# Altium PCB LF_Light_BluClassic.PcbDoc (part 1 of 2)
Units mm, origin at the board's own origin, x right, y up, seen from the top; angles counter-clockwise.
Board outline 130.4 x 63.7 mm, 4 copper layers (Top Layer, Int1 (GND), SignalLay, Bottom Layer), stack 0.55 mm thick; 72 components, 75 nets, 405 pads, 137 vias.
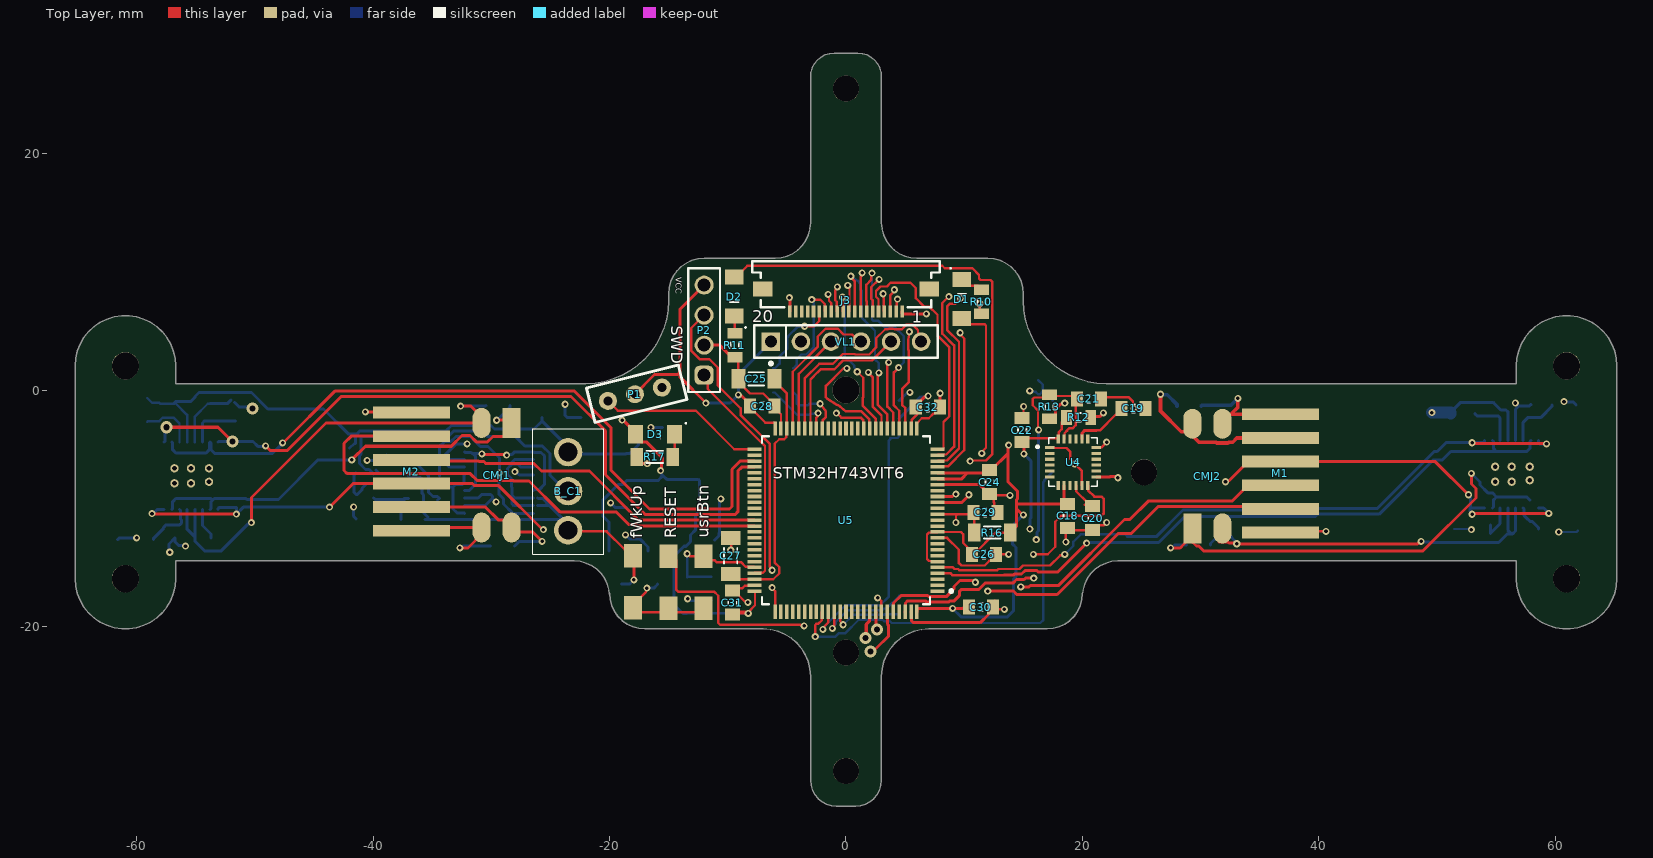
[diagram p0: Top Layer view]
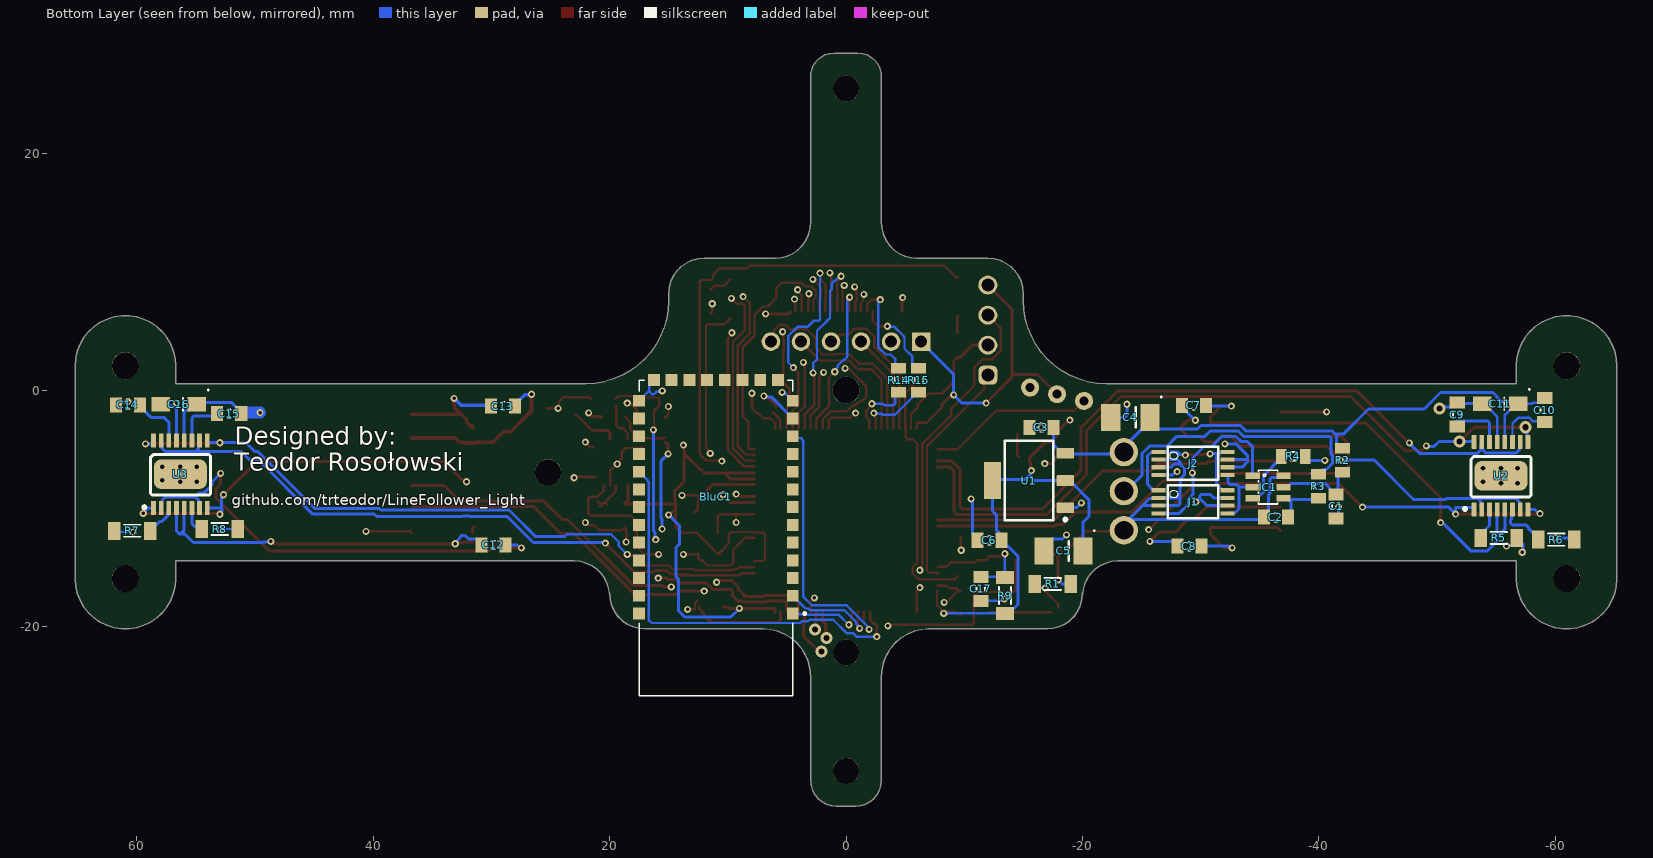
[diagram p1: Bottom Layer view, seen from below]
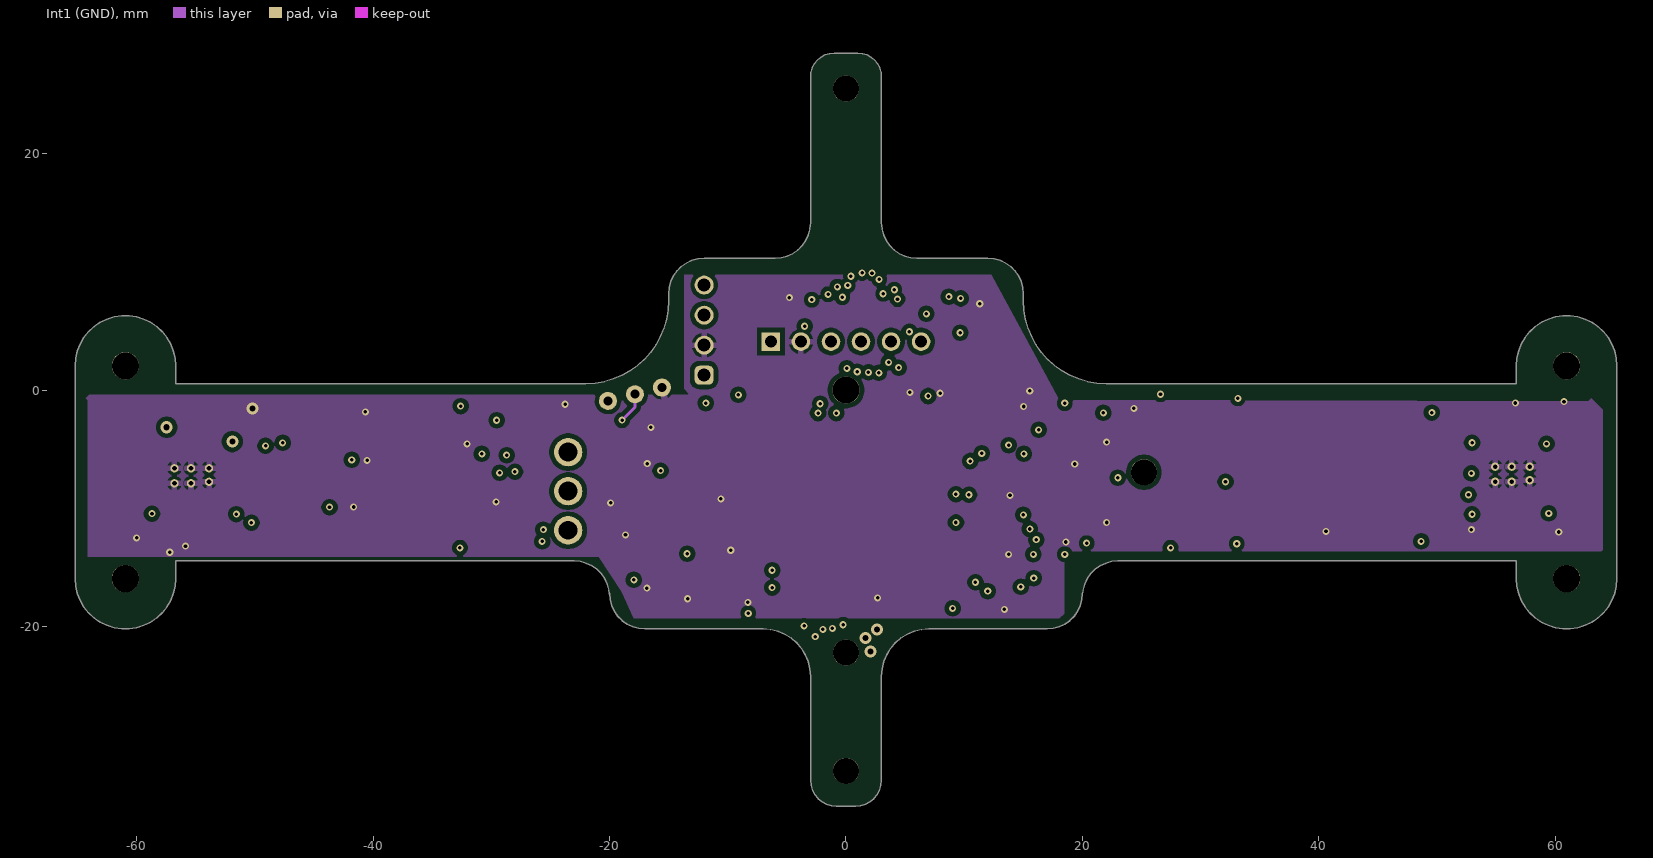
[diagram p2: Int1 (GND)]
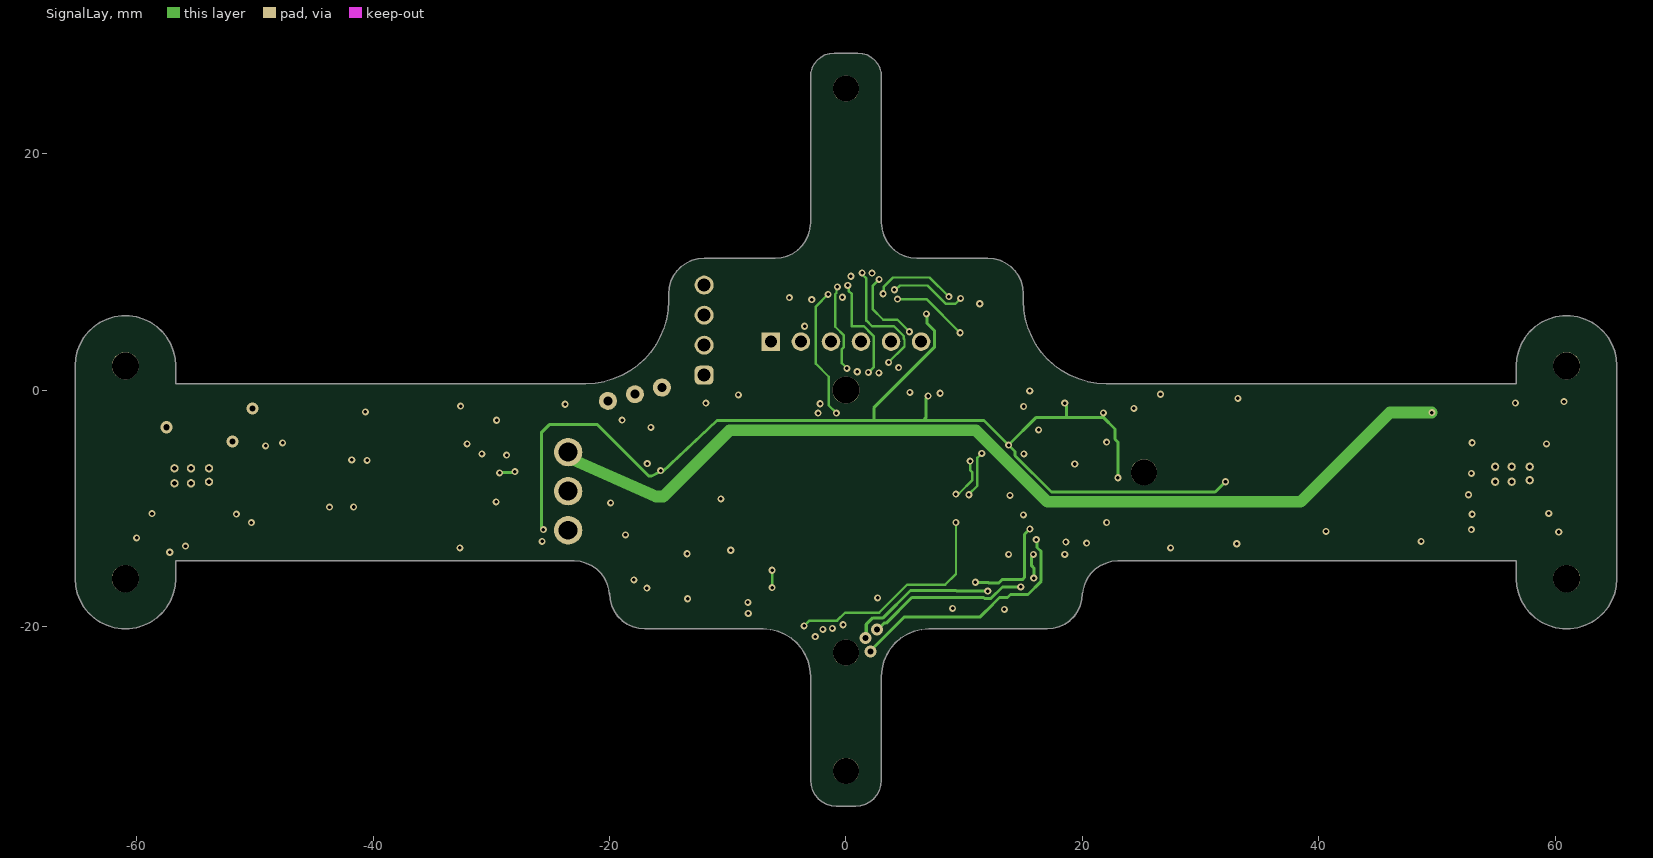
[diagram p3: SignalLay]
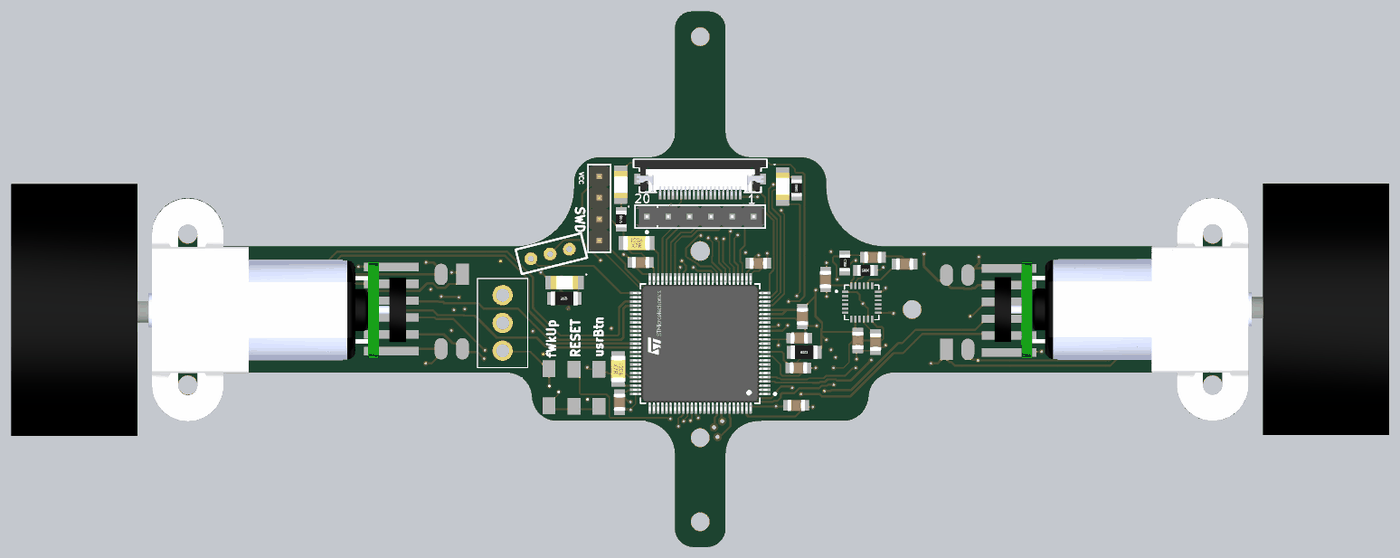
[diagram p5: 3D render of the assembled board from above, using the file's embedded part models]
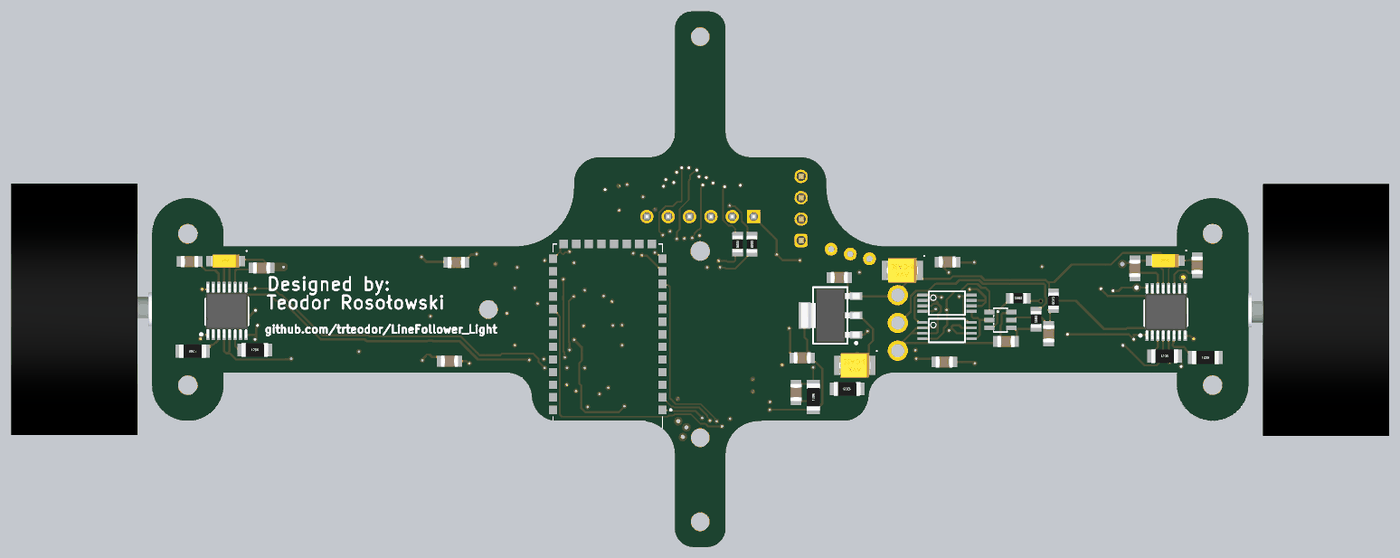
[diagram p6: 3D render of the assembled board from below, using the file's embedded part models]

## Layer stack, top to bottom
Top Solder: solder mask 0.0254, SM-001, Dk 4
Top Layer: signal copper 0.009
Dielectric 2: prepreg 0.1295, PP-017, Dk 4.3
Int1 (GND): signal copper 0.035
Dielectric 3: core 0.2032, Core-025, Dk 4.6
SignalLay: signal copper 0.035
Dielectric 4: prepreg 0.1295, PP-017, Dk 4.3
Bottom Layer: signal copper 0.009
Bottom Solder: solder mask 0.0254, SM-001, Dk 4

## Board outline
-56.7,2.05 -56.748,2.683 -56.889,3.303 -57.121,3.894 -57.438,4.444 -57.835,4.941 -58.3,5.373 -58.825,5.731 -59.397,6.006 -60.004,6.193 -60.632,6.288 -61.268,6.288 -61.896,6.193 -62.503,6.006 -63.075,5.731 -63.6,5.373 -64.065,4.941 -64.462,4.444 -64.779,3.894 -65.011,3.303 -65.153,2.683 -65.2,2.05 -65.2,-15.95 -65.153,-16.583 -65.011,-17.203 -64.779,-17.794 -64.462,-18.344 -64.065,-18.841 -63.6,-19.273 -63.075,-19.631 -62.503,-19.906 -61.896,-20.093 -61.268,-20.188 -60.632,-20.188 -60.004,-20.093 -59.397,-19.906 -58.825,-19.631 -58.3,-19.273 -57.835,-18.841 -57.438,-18.344 -57.121,-17.794 -56.889,-17.203 -56.748,-16.583 -56.7,-15.95 -56.7,-14.45 -23,-14.45 -22.479,-14.496 -21.974,-14.631 -21.5,-14.852 -21.072,-15.152 -20.702,-15.522 -20.402,-15.95 -20.181,-16.424 -20.046,-16.929 -20,-17.45 -20,-17.2 -19.954,-17.721 -19.819,-18.226 -19.598,-18.7 -19.298,-19.128 -18.928,-19.498 -18.5,-19.798 -18.026,-20.019 -17.521,-20.155 -17,-20.2 -7,-20.2 -6.374,-20.249 -5.764,-20.396 -5.184,-20.636 -4.649,-20.964 -4.172,-21.372 -3.764,-21.849 -3.436,-22.384 -3.196,-22.964 -3.049,-23.574 -3,-24.2 -3,-33 -2.958,-33.429 -2.833,-33.842 -2.629,-34.222 -2.356,-34.556 -2.022,-34.829 -1.642,-35.033 -1.229,-35.158 -0.8,-35.2 0.8,-35.2 1.229,-35.158 1.642,-35.033 2.022,-34.829 2.356,-34.556 2.629,-34.222 2.833,-33.842 2.958,-33.429 3,-33 3,-24.2 3.049,-23.574 3.196,-22.964 3.436,-22.384 3.764,-21.849 4.172,-21.372 4.649,-20.964 5.184,-20.636 5.764,-20.396 6.374,-20.249 7,-20.2 17,-20.2 17.521,-20.155 18.026,-20.019 18.5,-19.798 18.928,-19.498 19.298,-19.128 19.598,-18.7 19.819,-18.226 19.954,-17.721 20,-17.2 20,-17.45 20.046,-16.929 20.181,-16.424 20.402,-15.95 20.702,-15.522 21.072,-15.152 21.5,-14.852 21.974,-14.631 22.479,-14.496 23,-14.45 56.7,-14.45 56.7,-15.95 56.747,-16.583 56.889,-17.203 57.121,-17.794 57.438,-18.344 57.835,-18.841 58.3,-19.273 58.825,-19.631 59.397,-19.906 60.004,-20.093 60.632,-20.188 61.268,-20.188 61.896,-20.093 62.503,-19.906 63.075,-19.631 63.6,-19.273 64.066,-18.841 64.462,-18.344 64.779,-17.794 65.011,-17.203 65.153,-16.583 65.2,-15.95 65.2,2.05 65.153,2.683 65.011,3.303 64.779,3.894 64.462,4.444 64.066,4.941 63.6,5.373 63.075,5.731 62.503,6.006 61.896,6.193 61.268,6.288 60.632,6.288 60.004,6.193 59.397,6.006 58.825,5.731 58.3,5.373 57.835,4.941 57.438,4.444 57.121,3.894 56.889,3.303 56.747,2.683 56.7,2.05 56.7,0.55 22,0.55 21.216,0.594 20.442,0.726 19.688,0.943 18.963,1.243 18.276,1.623 17.636,2.077 17.05,2.6 16.527,3.186 16.073,3.826 15.693,4.513 15.393,5.238 15.175,5.992 15.044,6.766 15,7.55 15,8.15 14.954,8.671 14.819,9.176 14.598,9.65 14.298,10.078 13.928,10.448 13.5,10.748 13.026,10.969 12.521,11.104 12,11.15 6,11.15 5.479,11.196 4.974,11.331 4.5,11.552 4.072,11.852 3.702,12.222 3.402,12.65 3.181,13.124 3.046,13.629 3,14.15 3,26.5 2.962,26.89 2.848,27.265 2.663,27.611 2.414,27.914 2.111,28.163 1.765,28.348 1.39,28.461 1,28.5 -1,28.5 -1.39,28.461 -1.765,28.348 -2.111,28.163 -2.414,27.914 -2.663,27.611 -2.848,27.265 -2.962,26.89 -3,26.5 -3,14.15 -3.046,13.629 -3.181,13.124 -3.402,12.65 -3.702,12.222 -4.072,11.852 -4.5,11.552 -4.974,11.331 -5.479,11.196 -6,11.15 -12,11.15 -12.521,11.104 -13.026,10.969 -13.5,10.748 -13.928,10.448 -14.298,10.078 -14.598,9.65 -14.819,9.176 -14.954,8.671 -15,8.15 -15,7.55 -15.044,6.766 -15.175,5.992 -15.393,5.238 -15.693,4.513 -16.073,3.826 -16.527,3.186 -17.05,2.6 -17.635,2.077 -18.276,1.623 -18.963,1.243 -19.688,0.943 -20.442,0.726 -21.216,0.594 -22,0.55 -56.7,0.55

## Design rules (kind name [scope] priority, off if disabled: settings)
AssemblyTestPointUsage [All] p1 off:
AssemblyTestpoint [All] p1 off: testpointundercomponent=TRUE minsize=1.016 maxsize=2.54 preferedsize=1.524 minholesize=0 maxholesize=1.016 preferedholesize=0.813 testpointgrid=0.025 usegrid=TRUE gridtolerance=0 allowsidetop=TRUE allowsidebottom=TRUE
Clearance Keep-Out [OnLayer('Keep-Out Layer')] p1: gap=0.406 ignorepadtopadclearanceinfootprint=FALSE except(0: Arc-Hole Track-Hole SMDPad-Hole THPad-Hole Via-Hole Fill-Hole Poly-Hole Region-Hole Text-Hole)
Clearance VIA-PAD [IsVIA vs IsPAD] p2: gap=0.152 ignorepadtopadclearanceinfootprint=FALSE except(0: Arc-Hole Track-Hole SMDPad-Hole THPad-Hole Via-Hole Fill-Hole Poly-Hole Region-Hole Text-Hole)
Clearance Clearance_REF [HasFootprint('Designator_blacking') or HasFootprint('Designator')] p3: gap=0.203 ignorepadtopadclearanceinfootprint=FALSE except(0: Arc-Hole Track-Hole SMDPad-Hole THPad-Hole Via-Hole Fill-Hole Poly-Hole Region-Hole Text-Hole)
Clearance Clearance_REF60 [HasFootprint('Designator_60_blacking') or HasFootprint('Designator_60')] p4: gap=0.381 ignorepadtopadclearanceinfootprint=FALSE except(0: Arc-Hole Track-Hole SMDPad-Hole THPad-Hole Via-Hole Fill-Hole Poly-Hole Region-Hole Text-Hole)
Clearance Clearance_28mil [HasFootprint('SFT01')] p5: gap=0.711 ignorepadtopadclearanceinfootprint=FALSE except(0: Arc-Hole Track-Hole SMDPad-Hole THPad-Hole Via-Hole Fill-Hole Poly-Hole Region-Hole Text-Hole)
Clearance Clearance_26mil [HasFootprint('SW-2') or HasFootprint('SW-4') or HasFootprint('SW-6') or HasFootprint('SW-8')] p6: gap=0.66 ignorepadtopadclearanceinfootprint=FALSE except(0: Arc-Hole Track-Hole SMDPad-Hole THPad-Hole Via-Hole Fill-Hole Poly-Hole Region-Hole Text-Hole)
Clearance Clearance_20mil [HasFootprint('NXW-02SMD') or HasFootprint('NXW-03SMD') or HasFootprint('NXW-04SMD') or HasFootprint('NXW-05SMD') or HasFootprint('NXW-06SMD') or HasFootprint('NXW-08SMD') or HasFootprint('NXW-10SMD') or HasFootprint('NXW-12SMD') or HasFootprint('GK2X5D_SMD_(PBMTD10S)')or HasFootprint('WE-PD2SA')   or HasFootprint('LK2X10E_SMD_(BHT20S)')] p7: gap=0.508 ignorepadtopadclearanceinfootprint=FALSE except(0: Arc-Hole Track-Hole SMDPad-Hole THPad-Hole Via-Hole Fill-Hole Poly-Hole Region-Hole Text-Hole)
Clearance Clearance_7.68mil [HasFootprint('TQFP64') vs IsPad] p8: gap=0.195 ignorepadtopadclearanceinfootprint=FALSE except(0: Arc-Hole Track-Hole SMDPad-Hole THPad-Hole Via-Hole Fill-Hole Poly-Hole Region-Hole Text-Hole)
Clearance InPolygon [InPolygon] p9: gap=0.381 ignorepadtopadclearanceinfootprint=FALSE except(0: Arc-Hole Track-Hole SMDPad-Hole THPad-Hole Via-Hole Fill-Hole Poly-Hole Region-Hole Text-Hole)
Clearance [All] p10: gap=0.203 ignorepadtopadclearanceinfootprint=FALSE except(0: Arc-Hole Track-Hole SMDPad-Hole THPad-Hole Via-Hole Fill-Hole Poly-Hole Region-Hole Text-Hole; 0.2: Arc-SMDPad Track-SMDPad SMDPad-SMDPad)
ComponentClearance [All] p1: gap=0 collisioncheckmode=3 verticalgap=0 showdistances=FALSE
FabricationTestPointUsage [All] p1 off: valid=0 allowmultiple=FALSE
FabricationTestpoint [All] p1 off: side=3 testpointundercomponent=TRUE minsize=1.016 maxsize=2.54 preferedsize=1.524 minholesize=0 maxholesize=1.016 preferedholesize=0.813 testpointgrid=0.025 allowsidetop=TRUE allowsidebottom=TRUE usegrid=TRUE gridtolerance=0
HoleSize HoleSize_Ramka [HasFootprint('hole_frame') or HasFootprint('hole_frame1')] p1: absolutevalues=TRUE maxlimit=3 minlimit=3 maxpercent=80.000 minpercent=20.000
HoleSize [All] p2: absolutevalues=TRUE maxlimit=5 minlimit=0.3 maxpercent=80.000 minpercent=20.000
MinimumSolderMaskSliver MinimumSolderMaskSliver_Ramka [HasFootprint('LOGO-05X18_so')] p1: minsoldermaskwidth=0
MinimumSolderMaskSliver MinimumSolderMaskSliver_Via-Pad [IsVia vs IsPad] p2: minsoldermaskwidth=0.508
MinimumSolderMaskSliver [All] p3: minsoldermaskwidth=0.14
PolygonConnect PolygonConnect_VIA [ISVIA] p1: connectstyle=Direct reliefconductorwidth=0.254 reliefentries=4 polygonreliefangle="90 Angle" airgapwidth=0.254
PolygonConnect PolygonConnect_30mil [HasFootprint('CE-SMD-J80_(H7,9MM)')] p2: connectstyle=Relief reliefconductorwidth=0.762 reliefentries=4 polygonreliefangle="90 Angle" airgapwidth=0.254
PolygonConnect PolygonConnect_24mil [HasFootprint('3528-SMDB') or HasFootprint('6032-SMDC') or HasFootprint('7343-SMDD')] p3: connectstyle=Relief reliefconductorwidth=0.61 reliefentries=4 polygonreliefangle="90 Angle" airgapwidth=0.254
PolygonConnect PolygonConnect_20mil [HasFootprint('0805R') or HasFootprint('0805C')or HasFootprint('1206R') or HasFootprint('1206C')] p4: connectstyle=Relief reliefconductorwidth=0.508 reliefentries=4 polygonreliefangle="90 Angle" airgapwidth=0.254
PolygonConnect PolygonConnect_16mil [HasFootprint('CF2040_V_(ZIF40-0,5MM)')] p5: connectstyle=Relief reliefconductorwidth=0.406 reliefentries=4 polygonreliefangle="90 Angle" airgapwidth=0.254
PolygonConnect PolygonConnect_14mil [HasFootprint('SOODIM-200_(TYCO,CONCRAFT 2,5V)') or HasFootprint('SOODIM-200_(TYCO,CONCRAFT 2,5V) - COLIBRI') or HasFootprint('TSSOP24') or HasFootprint('TSSOP20') or HasFootprint('TSSOP18') or HasFootprint('TSSOP16') or HasFootprint('TSSOP14') or HasFootprint('SSOP24-150-0.64') or HasFootprint('SOT-323-5')] p6: connectstyle=Relief reliefconductorwidth=0.356 reliefentries=4 polygonreliefangle="90 Angle" airgapwidth=0.254
PolygonConnect PolygonConnect_12mil [HasFootprint('CF2014_D_(ZIF14-0,5MM)') or HasFootprint('CF2040_U_(ODWROTNA NUMERACJA)') or HasFootprint('TQFP144') or HasFootprint('TQFP80') or HasFootprint('TQFP64') or HasFootprint('TQFP48') or HasFootprint('0603C') or HasFootprint('0603R') or HasFootprint('SOT-23-3') or HasFootprint('4D03')or HasFootprint('QFN16-0.65_(H1,6MM)')or HasFootprint('PLCC2') or HasFootprint('PLCC2-S')or HasFootprint('SFH5711')] p7: connectstyle=Relief reliefconductorwidth=0.305 reliefentries=4 polygonreliefangle="90 Angle" airgapwidth=0.254
PolygonConnect PolygonConnect_11mil [HasFootprint('QFN20_B&T') or HasFootprint('QFN24_B&T') or HasFootprint('QFN32_31_B&T') or HasFootprint('QFN32_34_B&T') or HasFootprint('QFN36_30x40_LT3958_B&T') or HasFootprint('QFN36_37_B&T') or HasFootprint('QFN36_44_B&T') or HasFootprint('QFN40_41_B&T') or HasFootprint('QFN40_44_B&T_1')or HasFootprint('QFN56_59_B&T')] p8: connectstyle=Relief reliefconductorwidth=0.279 reliefentries=4 polygonreliefangle="90 Angle" airgapwidth=0.254
PolygonConnect PolygonConnect_13mil [HasFootprint('QFN12-0.80_21_B&T') or HasFootprint('QFN16-0.65_21_B&T')] p9: connectstyle=Relief reliefconductorwidth=0.33 reliefentries=4 polygonreliefangle="90 Angle" airgapwidth=0.254